# Altium PCB PCB1.PcbDoc (part 2 of 2) (continued)
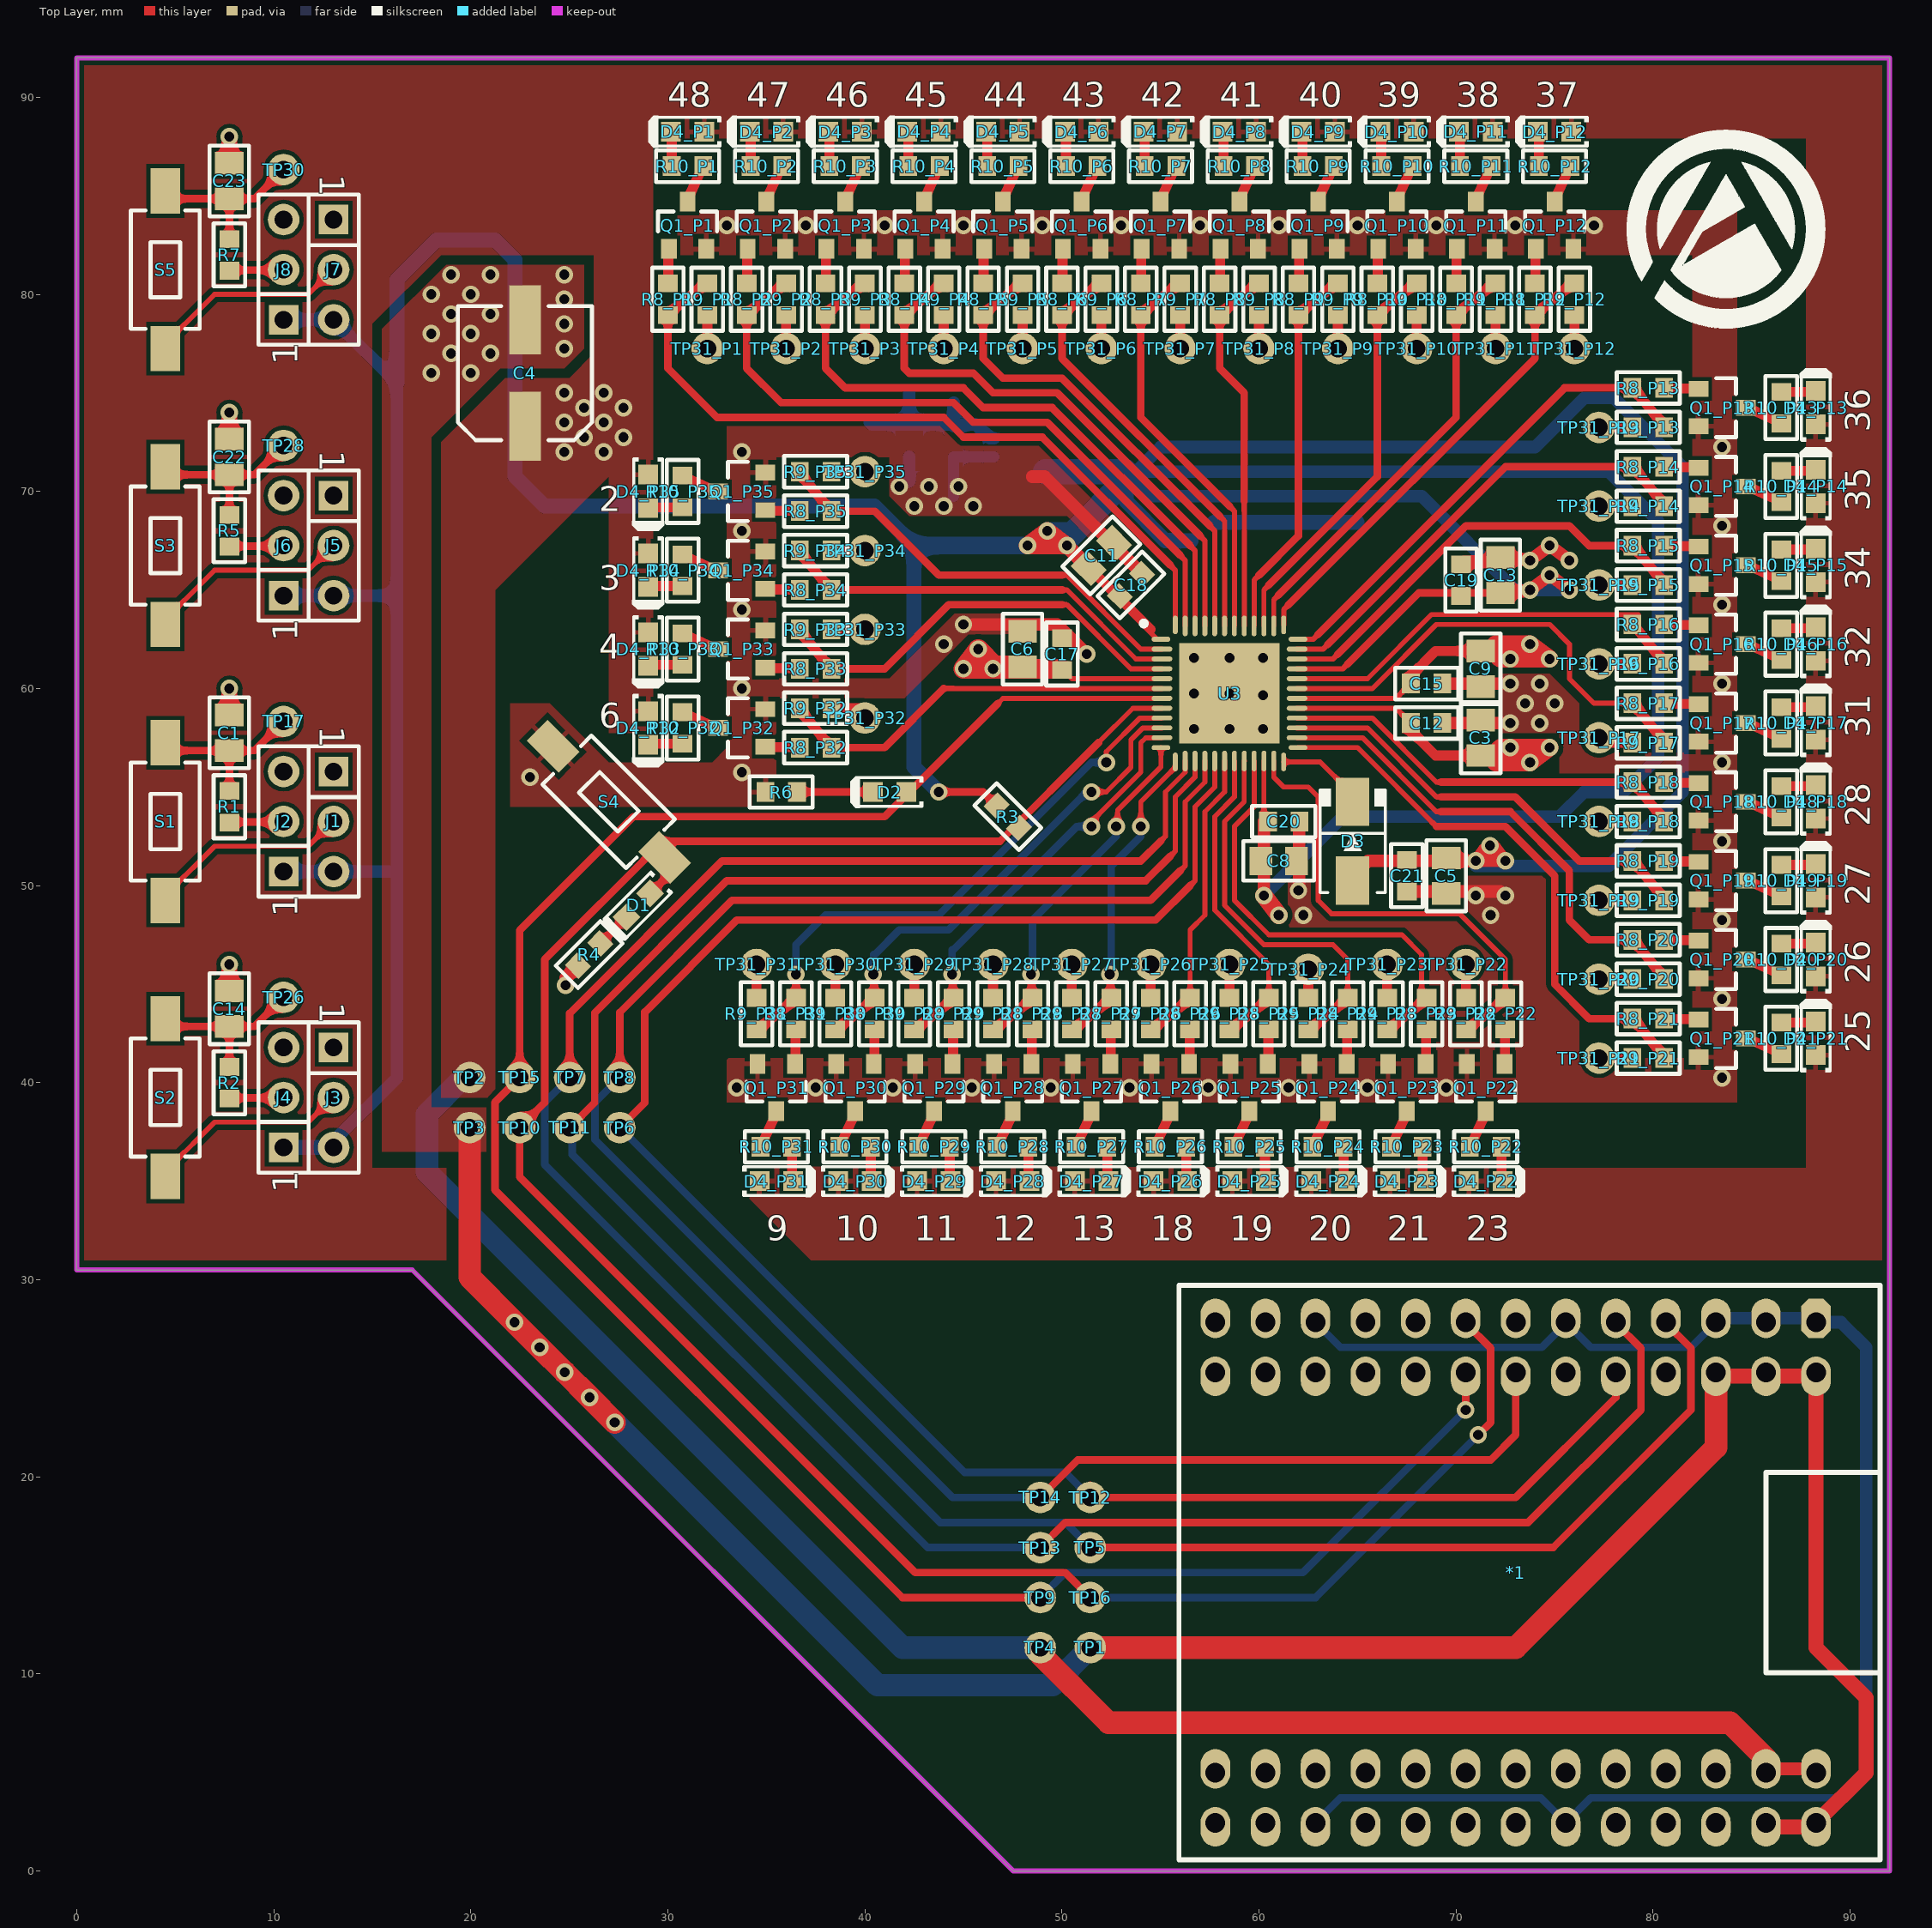
[diagram p0: Top Layer view]
## Nets (pads, with @x,y where several pads share a name; then routed paths per layer and width w, separated by ;. In a path a pad name is that pad's centre, name@x,y a point inside that pad or via, vN(x,y) a via of type N, cw(c..) or ccw(c..) an arc to the next point about the centre after c; other vN are vias at no path point) (continued)
NetQ1_P19_3: Q1_P19.3 R10_P19.1 | length 1.9
  Top Layer w0.508: Q1_P19.3@84.8,50.25 86.509,49.469 R10_P19.1@86.55,49.45
NetQ1_P20_1: Q1_P20.1 R8_P20.2 | length 1.8
  Top Layer w0.508: R8_P20.2@80.6,47.25 80.625,47.225 82.375,47.225 Q1_P20.1@82.4,47.2
NetQ1_P20_3: Q1_P20.3 R10_P20.1 | length 1.9
  Top Layer w0.508: Q1_P20.3@84.8,46.25 86.509,45.469 R10_P20.1@86.55,45.45
NetQ1_P21_1: Q1_P21.1 R8_P21.2 | length 1.8
  Top Layer w0.508: R8_P21.2@80.6,43.25 80.625,43.225 82.375,43.225 Q1_P21.1@82.4,43.2
NetQ1_P21_3: Q1_P21.3 R10_P21.1 | length 1.9
  Top Layer w0.508: Q1_P21.3@84.8,42.25 86.509,41.469 R10_P21.1@86.55,41.45
NetQ1_P22_1: Q1_P22.1 R8_P22.2 | length 1.8
  Top Layer w0.508: Q1_P22.1@72.45,40.85 72.475,40.875 72.475,42.625 R8_P22.2@72.5,42.65
NetQ1_P22_3: Q1_P22.3 R10_P22.1 | length 1.9
  Top Layer w0.508: R10_P22.1@70.7,36.7 70.719,36.741 Q1_P22.3@71.5,38.45
NetQ1_P23_1: Q1_P23.1 R8_P23.2 | length 1.8
  Top Layer w0.508: Q1_P23.1@68.45,40.85 68.475,40.875 68.475,42.625 R8_P23.2@68.5,42.65
NetQ1_P23_3: Q1_P23.3 R10_P23.1 | length 1.9
  Top Layer w0.508: R10_P23.1@66.7,36.7 66.719,36.741 Q1_P23.3@67.5,38.45
NetQ1_P24_1: Q1_P24.1 R8_P24.2 | length 1.8
  Top Layer w0.508: Q1_P24.1@64.45,40.85 64.475,40.875 64.475,42.625 R8_P24.2@64.5,42.65
NetQ1_P24_3: Q1_P24.3 R10_P24.1 | length 1.9
  Top Layer w0.508: R10_P24.1@62.7,36.7 62.719,36.741 Q1_P24.3@63.5,38.45
NetQ1_P25_1: Q1_P25.1 R8_P25.2 | length 1.8
  Top Layer w0.508: Q1_P25.1@60.45,40.85 60.475,40.875 60.475,42.625 R8_P25.2@60.5,42.65
NetQ1_P25_3: Q1_P25.3 R10_P25.1 | length 1.9
  Top Layer w0.508: R10_P25.1@58.7,36.7 58.719,36.741 Q1_P25.3@59.5,38.45
NetQ1_P26_1: Q1_P26.1 R8_P26.2 | length 1.8
  Top Layer w0.508: Q1_P26.1@56.45,40.85 56.475,40.875 56.475,42.625 R8_P26.2@56.5,42.65
NetQ1_P26_3: Q1_P26.3 R10_P26.1 | length 1.9
  Top Layer w0.508: R10_P26.1@54.7,36.7 54.719,36.741 Q1_P26.3@55.5,38.45
NetQ1_P27_1: Q1_P27.1 R8_P27.2 | length 1.8
  Top Layer w0.508: Q1_P27.1@52.45,40.85 52.475,40.875 52.475,42.625 R8_P27.2@52.5,42.65
NetQ1_P27_3: Q1_P27.3 R10_P27.1 | length 1.9
  Top Layer w0.508: R10_P27.1@50.7,36.7 50.719,36.741 Q1_P27.3@51.5,38.45
NetQ1_P28_1: Q1_P28.1 R8_P28.2 | length 1.8
  Top Layer w0.508: Q1_P28.1@48.45,40.85 48.475,40.875 48.475,42.625 R8_P28.2@48.5,42.65
NetQ1_P28_3: Q1_P28.3 R10_P28.1 | length 1.9
  Top Layer w0.508: R10_P28.1@46.7,36.7 46.719,36.741 Q1_P28.3@47.5,38.45
NetQ1_P29_1: Q1_P29.1 R8_P29.2 | length 1.8
  Top Layer w0.508: Q1_P29.1@44.45,40.85 44.475,40.875 44.475,42.625 R8_P29.2@44.5,42.65
NetQ1_P29_3: Q1_P29.3 R10_P29.1 | length 1.9
  Top Layer w0.508: R10_P29.1@42.7,36.7 42.719,36.741 Q1_P29.3@43.5,38.45
NetQ1_P30_1: Q1_P30.1 R8_P30.2 | length 1.8
  Top Layer w0.508: Q1_P30.1@40.45,40.85 40.475,40.875 40.475,42.625 R8_P30.2@40.5,42.65
NetQ1_P30_3: Q1_P30.3 R10_P30.1 | length 1.9
  Top Layer w0.508: R10_P30.1@38.7,36.7 38.719,36.741 Q1_P30.3@39.5,38.45
NetQ1_P31_1: Q1_P31.1 R8_P31.2 | length 1.8
  Top Layer w0.508: Q1_P31.1@36.45,40.85 36.475,40.875 36.475,42.625 R8_P31.2@36.5,42.65
NetQ1_P31_3: Q1_P31.3 R10_P31.1 | length 1.9
  Top Layer w0.508: R10_P31.1@34.7,36.7 34.719,36.741 Q1_P31.3@35.5,38.45
NetQ1_P32_1: Q1_P32.1 R8_P32.2 | length 1.8
  Top Layer w0.508: Q1_P32.1@34.85,57.05 34.875,57.025 36.625,57.025 R8_P32.2@36.65,57
NetQ1_P32_3: Q1_P32.3 R10_P32.1 | length 1.9
  Top Layer w0.508: R10_P32.1@30.7,58.8 30.741,58.781 Q1_P32.3@32.45,58
NetQ1_P33_1: Q1_P33.1 R8_P33.2 | length 1.8
  Top Layer w0.508: Q1_P33.1@34.85,61.05 34.875,61.025 36.625,61.025 R8_P33.2@36.65,61
NetQ1_P33_3: Q1_P33.3 R10_P33.1 | length 1.9
  Top Layer w0.508: R10_P33.1@30.7,62.8 30.741,62.781 Q1_P33.3@32.45,62
NetQ1_P34_1: Q1_P34.1 R8_P34.2 | length 1.8
  Top Layer w0.508: Q1_P34.1@34.85,65.05 34.875,65.025 36.625,65.025 R8_P34.2@36.65,65
NetQ1_P34_3: Q1_P34.3 R10_P34.1 | length 1.9
  Top Layer w0.508: R10_P34.1@30.7,66.8 30.741,66.781 Q1_P34.3@32.45,66
NetQ1_P35_1: Q1_P35.1 R8_P35.2 | length 1.7
  Top Layer w0.508: Q1_P35.1@34.875,69.025 R8_P35.2@36.625,69.025
NetQ1_P35_3: Q1_P35.3 R10_P35.1 | length 1.9
  Top Layer w0.508: R10_P35.1@30.7,70.8 30.741,70.781 Q1_P35.3@32.45,70
NetR8_P1_1: R8_P1.1 R9_P1.1 U3.48 | length 38
  Top Layer w0.254: 55.5,66.25 55.75,66 U3.48@55.75,63.225
  Top Layer w0.381: R8_P1.1@30,78.95 30,76.25 32.5,73.75 44,73.75 45,72.75 49,72.75 55.5,66.25
  Top Layer w0.508: R8_P1.1@30,79 31.976,80.58 R9_P1.1@32,80.6
NetR8_P2_1: R8_P2.1 R9_P2.1 U3.47 | length 34.9
  Top Layer w0.254: 56,66.75 56.25,66.5 U3.47@56.25,63.175
  Top Layer w0.381: R8_P2.1@34,78.95 34,76.25 35.75,74.5 44.5,74.5 45.5,73.5 49.25,73.5 56,66.75
  Top Layer w0.508: R8_P2.1@34,79 35.976,80.58 R9_P2.1@36,80.6
NetR8_P3_1: R8_P3.1 R9_P3.1 U3.46 | length 31.7
  Top Layer w0.254: 56.5,67.25 56.75,67 U3.46@56.75,63.175
  Top Layer w0.381: R8_P3.1@38,78.95 38,76.25 39,75.25 45,75.25 46,74.25 49.5,74.25 56.5,67.25
  Top Layer w0.508: R8_P3.1@38,79 39.976,80.58 R9_P3.1@40,80.6
NetR8_P4_1: R8_P4.1 R9_P4.1 U3.45 | length 28.5
  Top Layer w0.254: 57,67.75 57.25,67.5 U3.45@57.25,63.175
  Top Layer w0.381: R8_P4.1@42,78.95 42,76.25 42.25,76 45.5,76 46.5,75 49.75,75 57,67.75
  Top Layer w0.508: R8_P4.1@42,79 43.976,80.58 R9_P4.1@44,80.6
NetR8_P5_1: R8_P5.1 R9_P5.1 U3.44 | length 25
  Top Layer w0.254: 57.5,68.25 57.75,68 U3.44@57.75,63.175
  Top Layer w0.381: R8_P5.1@46,78.95 46,76.75 47,75.75 50,75.75 57.5,68.25
  Top Layer w0.508: R8_P5.1@46,79 47.976,80.58 R9_P5.1@48,80.6
NetR8_P6_1: R8_P6.1 R9_P6.1 U3.43 | length 21.8
  Top Layer w0.254: 58,68.75 58.25,68.5 U3.43@58.25,63.175
  Top Layer w0.381: R8_P6.1@50,78.95 50,76.75 58,68.75
  Top Layer w0.508: R8_P6.1@50,79 51.976,80.58 R9_P6.1@52,80.6
NetR8_P7_1: R8_P7.1 R9_P7.1 U3.42 | length 20.3
  Top Layer w0.254: 58.5,69.25 58.75,69 U3.42@58.75,63.175
  Top Layer w0.381: R8_P7.1@54,78.95 54,73.75 58.5,69.25
  Top Layer w0.508: R8_P7.1@54,79 55.976,80.58 R9_P7.1@56,80.6
NetR8_P8_1: R8_P8.1 R9_P8.1 U3.41 | length 18.9
  Top Layer w0.254: U3.41@59.25,63.175 59.25,69.5
  Top Layer w0.381: R8_P8.1@58,78.95 58,76.25 59.25,75 59.25,69.5
  Top Layer w0.508: R8_P8.1@58,79 59.976,80.58 R9_P8.1@60,80.6
NetR8_P9_1: R8_P9.1 R9_P9.1 U3.40 | length 19.3
  Top Layer w0.254: U3.40@59.75,63.175 59.75,65.5 60,65.75
  Top Layer w0.381: 60,65.75 62,67.75 R8_P9.1@62,78.95
  Top Layer w0.508: R8_P9.1@62,79 63.976,80.58 R9_P9.1@64,80.6
NetR8_P10_1: R8_P10.1 R9_P10.1 U3.39 | length 20.7
  Top Layer w0.254: U3.39@60.25,63.175 60.25,65 60.5,65.25
  Top Layer w0.381: 60.5,65.25 66,70.75 R8_P10.1@66,78.95
  Top Layer w0.508: R8_P10.1@66,79 67.976,80.58 R9_P10.1@68,80.6
NetR8_P11_1: R8_P11.1 R9_P11.1 U3.38 | length 22.2
  Top Layer w0.254: U3.38@60.75,63.175 60.75,64.5 61,64.75
  Top Layer w0.381: 61,64.75 70,73.75 R8_P11.1@70,78.95
  Top Layer w0.508: R8_P11.1@70,79 71.976,80.58 R9_P11.1@72,80.6
NetR8_P12_1: R8_P12.1 R9_P12.1 U3.37 | length 23.6
  Top Layer w0.254: U3.37@61.25,63.225 61.252,63.227 61.252,64.002 61.5,64.25
  Top Layer w0.381: 61.5,64.25 74,76.75 R8_P12.1@74,78.95
  Top Layer w0.508: R8_P12.1@74,79 75.976,80.58 R9_P12.1@76,80.6
NetR8_P13_1: R8_P13.1 R9_P13.1 U3.36 | length 24.8
  Top Layer w0.254: U3.36@61.975,62.5 61.977,62.502 62.752,62.502 63,62.75
  Top Layer w0.381: 63,62.75 75.5,75.25 R8_P13.1@78.95,75.25
  Top Layer w0.508: R8_P13.1@79,75.25 80.58,73.274 R9_P13.1@80.6,73.25
NetR8_P14_1: R8_P14.1 R9_P14.1 U3.35 | length 23.4
  Top Layer w0.254: U3.35@61.925,62 63.25,62 63.5,62.25
  Top Layer w0.381: 63.5,62.25 72.5,71.25 R8_P14.1@78.95,71.25
  Top Layer w0.508: R8_P14.1@79,71.25 80.58,69.274 R9_P14.1@80.6,69.25
NetR8_P15_1: R8_P15.1 R9_P15.1 U3.34 | length 22.8
  Top Layer w0.254: U3.34@61.925,61.5 63.75,61.5 64,61.75
  Top Layer w0.381: 64,61.75 70.5,68.25 75.75,68.25 76.75,67.25 R8_P15.1@78.95,67.25
  Top Layer w0.508: R8_P15.1@79,67.25 80.58,65.274 R9_P15.1@80.6,65.25
NetR8_P16_1: R8_P16.1 R9_P16.1 U3.32 | length 21.9
  Top Layer w0.254: U3.32@61.925,60.5 65.5,60.5 68.75,63.75 78.5,63.75 ; R8_P16.1@79,63.25 78.5,63.75 ; R8_P16.1@79.25,63.75 78.5,63.75
  Top Layer w0.508: R8_P16.1@79,63.25 80.58,61.274 R9_P16.1@80.6,61.25
NetR8_P17_1: R8_P17.1 R9_P17.1 U3.31 | length 23.6
  Top Layer w0.254: U3.31@61.925,60 65.75,60 69,63.25 74.75,63.25 75.75,62.25 75.75,60.5 77,59.25 R8_P17.1@78.95,59.25
  Top Layer w0.508: R8_P17.1@79,59.25 80.58,57.274 R9_P17.1@80.6,57.25
NetR8_P18_1: R8_P18.1 R9_P18.1 U3.28 | length 20.9
  Top Layer w0.254: U3.28@61.925,58.5 65.75,58.5 69,55.25 69.25,55.25
  Top Layer w0.381: 69.25,55.25 R8_P18.1@78.95,55.25
  Top Layer w0.508: R8_P18.1@79,55.25 80.58,53.274 R9_P18.1@80.6,53.25
NetR8_P19_1: R8_P19.1 R9_P19.1 U3.27 | length 22.4
  Top Layer w0.254: U3.27@61.925,58 65.5,58 69,54.5 69.25,54.5
  Top Layer w0.381: 69.25,54.5 73,54.5 76.25,51.25 R8_P19.1@78.95,51.25
  Top Layer w0.508: R8_P19.1@79,51.25 80.58,49.274 R9_P19.1@80.6,49.25
NetR8_P20_1: R8_P20.1 R9_P20.1 U3.26 | length 25.3
  Top Layer w0.254: U3.26@61.925,57.5 65.25,57.5 69,53.75 69.25,53.75
  Top Layer w0.381: 69.25,53.75 72.75,53.75 75.75,50.75 75.75,48.25 76.75,47.25 R8_P20.1@78.95,47.25
  Top Layer w0.508: R8_P20.1@79,47.25 80.58,45.274 R9_P20.1@80.6,45.25
NetR8_P21_1: R8_P21.1 R9_P21.1 U3.25 | length 28.5
  Top Layer w0.254: U3.25@61.975,57 65,57 69,53 ; R8_P21.1@78.95,43.25 R8_P21.1@79,43.25
  Top Layer w0.381: 69,53 72.5,53 75,50.5 75,45 76.75,43.25 R8_P21.1@78.95,43.25
  Top Layer w0.508: R8_P21.1@79,43.25 80.58,41.274 R9_P21.1@80.6,41.25
NetR8_P22_1: R8_P22.1 R9_P22.1 U3.23 | length 24
  Top Layer w0.254: U3.23@60.75,56.325 60.75,55.5 61.25,55 62.5,55 63,54.5 63,49.25 63.675,48.575 70.175,48.575 72.5,46.25 R8_P22.1@72.5,44.3 R8_P22.1@72.5,44.25
  Top Layer w0.508: R9_P22.1@70.5,42.65 70.524,42.67 R8_P22.1@72.5,44.25
NetR8_P23_1: R8_P23.1 R9_P23.1 U3.21 | length 23
  Top Layer w0.254: U3.21@59.75,56.325 59.75,54 58.75,53 58.75,49.25 60.5,47.5 67.25,47.5 68.25,46.5 68.25,44.55 R8_P23.1@68.5,44.3
  Top Layer w0.508: R9_P23.1@66.5,42.65 66.524,42.67 R8_P23.1@68.5,44.25
NetR8_P24_1: R8_P24.1 R9_P24.1 U3.20 | length 19.6
  Top Layer w0.254: U3.20@59.25,56.325 59.248,56.323 59.248,54.248 58.25,53.25 58.25,49 60.25,47 63.75,47 64.5,46.25 R8_P24.1@64.5,44.3
  Top Layer w0.508: R9_P24.1@62.5,42.65 62.524,42.67 R8_P24.1@64.5,44.25
NetR8_P25_1: R8_P25.1 R9_P25.1 U3.19 | length 16.2
  Top Layer w0.254: U3.19@58.75,56.325 58.75,54.5 57.75,53.5 57.75,48.75 60.5,46 R8_P25.1@60.5,44.3 R8_P25.1@60.425,44.375
  Top Layer w0.508: R9_P25.1@58.5,42.65 58.524,42.67 R8_P25.1@60.5,44.25
NetR8_P26_1: R8_P26.1 R9_P26.1 U3.18 | length 15.4
  Top Layer w0.254: R8_P26.1@56.425,44.375 R8_P26.1@56.5,44.3 56.5,47.75 57.25,48.5 57.25,53.75 58.248,54.748 58.248,56.323 U3.18@58.25,56.325
  Top Layer w0.508: R9_P26.1@54.5,42.65 54.524,42.67 R8_P26.1@56.5,44.25
NetR8_P27_1: R8_P27.1 R9_P27.1 U3.13 | length 16.5
  Top Layer w0.254: R8_P27.1@52.175,44.623 52.498,44.3 R8_P27.1@52.5,44.3 ; v1(54,53) 54,54.25 U3.13@55.75,56 ; U3.13@55.748,55.927 55.75,55.929 U3.13@55.75,56 ; U3.13@55.75,56.275 U3.13@55.75,56.25 ; U3.13@55.762,56.263 U3.13@55.75,56.25 ; U3.13@55.75,56 U3.13@55.75,56.25
  Top Layer w0.381: v1(52.425,45.5) 52.462,45.463 52.462,44.338 R8_P27.1@52.5,44.3
  Top Layer w0.508: R9_P27.1@50.5,42.65 50.524,42.67 R8_P27.1@52.5,44.25
  Bottom Layer w0.381: v1@52.5,45.5 52.5,51 54,52.5 v1(54,53)
NetR8_P28_1: R8_P28.1 R9_P28.1 U3.12 | length 18
  Top Layer w0.254: v1(52.75,53) 52.825,53.076 52.825,53.826 55.025,56.025 U3.12@55.025,57
  Top Layer w0.381: v1(48.425,45.5) 48.462,45.463 48.462,44.338 R8_P28.1@48.5,44.3
  Top Layer w0.508: R9_P28.1@46.5,42.65 46.524,42.67 R8_P28.1@48.5,44.25
  Bottom Layer w0.381: v1@48.5,45.5 48.5,48.25 52.75,52.5 v1(52.75,53)
NetR8_P29_1: R8_P29.1 R9_P29.1 U3.11 | length 21.1
  Top Layer w0.254: v1(51.5,53) 51.5,53.25 54,55.75 54,57.25 54.248,57.498 55.073,57.498 U3.11@55.075,57.5
  Top Layer w0.381: v1(44.425,45.5) 44.462,45.463 44.462,44.338 R8_P29.1@44.5,44.3
  Top Layer w0.508: R9_P29.1@42.5,42.65 42.524,42.67 R8_P29.1@44.5,44.25
  Bottom Layer w0.381: v1(44.425,45.5) 44.425,46.75 ; 44.5,46.75 50.75,53 v1(51.5,53)
NetR8_P30_1: R8_P30.1 R9_P30.1 U3.10 | length 25
  Top Layer w0.254: R8_P30.1@40.425,44.375 40.462,44.338 R8_P30.1@40.5,44.3 ; v1(51.5,54.75) 52.25,54.75 53.5,56 53.5,57.397 54.103,58 U3.10@55.075,58
  Top Layer w0.381: v1(40.425,45.5) 40.462,45.463 R8_P30.1@40.462,44.338
  Top Layer w0.508: R9_P30.1@38.5,42.65 38.524,42.67 R8_P30.1@40.5,44.25
  Bottom Layer w0.381: v1(40.425,45.5) 40.441,45.516 40.441,46.516 ; 40.516,46.516 41.75,47.75 44.25,47.75 51.25,54.75 v1(51.5,54.75)
NetR8_P31_1: R8_P31.1 R9_P31.1 U3.9 | length 28.9
  Top Layer w0.254: v1(52.25,56.25) 52.25,56.793 53.957,58.5 U3.9@55.075,58.5
  Top Layer w0.381: R8_P31.1@36.5,44.3 v1(36.5,45.5)
  Top Layer w0.508: R9_P31.1@34.5,42.65 34.524,42.67 R8_P31.1@36.5,44.25
  Bottom Layer w0.381: v1(36.5,45.5) 36.5,47 38,48.5 43.75,48.5 51.5,56.25 v1(52.25,56.25)
NetR8_P32_1: R8_P32.1 R9_P32.1 U3.6 | length 20.6
  Top Layer w0.254: 44,60 45,60 U3.6@55.075,60
  Top Layer w0.381: R8_P32.1@38.3,57 41,57 44,60
  Top Layer w0.508: R9_P32.1@36.65,59 36.67,58.976 R8_P32.1@38.25,57
NetR8_P33_1: R8_P33.1 R9_P33.1 U3.4 | length 22
  Top Layer w0.254: 50,64.25 50.25,64.25 53.5,61 U3.4@55.075,61
  Top Layer w0.381: R8_P33.1@38.3,61 41,61 44.25,64.25 50,64.25
  Top Layer w0.508: R9_P33.1@36.65,63 36.67,62.976 R8_P33.1@38.25,61
NetR8_P34_1: R8_P34.1 R9_P34.1 U3.3 | length 20.8
  Top Layer w0.254: R8_P34.1@38.25,65 R8_P34.1@38.3,65 ; 50,65 50.25,65 53.75,61.5 U3.3@55.075,61.5
  Top Layer w0.381: R8_P34.1@38.3,65 50,65
  Top Layer w0.508: R9_P34.1@36.65,67 36.67,66.976 R8_P34.1@38.25,65
NetR8_P35_1: R8_P35.1 R9_P35.1 U3.2 | length 22.2
  Top Layer w0.254: 50,65.75 50.25,65.75 54,62 U3.2@55.075,62
  Top Layer w0.381: R8_P35.1@38.3,69 40.5,69 43.75,65.75 50,65.75
  Top Layer w0.508: R9_P35.1@36.65,71 36.67,70.976 R8_P35.1@38.25,69
NetR9_P1_2: R9_P1.2 TP31_P1.1 | length 1.7
  Top Layer w0.508: TP31_P1.1@32,77.3 R9_P1.2@32,79
NetR9_P2_2: R9_P2.2 TP31_P2.1 | length 1.7
  Top Layer w0.508: TP31_P2.1@36,77.3 R9_P2.2@36,79
NetR9_P3_2: R9_P3.2 TP31_P3.1 | length 1.7
  Top Layer w0.508: TP31_P3.1@40,77.3 R9_P3.2@40,79
NetR9_P4_2: R9_P4.2 TP31_P4.1 | length 1.7
  Top Layer w0.508: TP31_P4.1@44,77.3 R9_P4.2@44,79
NetR9_P5_2: R9_P5.2 TP31_P5.1 | length 1.7
  Top Layer w0.508: TP31_P5.1@48,77.3 R9_P5.2@48,79
NetR9_P6_2: R9_P6.2 TP31_P6.1 | length 1.7
  Top Layer w0.508: TP31_P6.1@52,77.3 R9_P6.2@52,79
NetR9_P7_2: R9_P7.2 TP31_P7.1 | length 1.7
  Top Layer w0.508: TP31_P7.1@56,77.3 R9_P7.2@56,79
NetR9_P8_2: R9_P8.2 TP31_P8.1 | length 1.7
  Top Layer w0.508: TP31_P8.1@60,77.3 R9_P8.2@60,79
NetR9_P9_2: R9_P9.2 TP31_P9.1 | length 1.7
  Top Layer w0.508: TP31_P9.1@64,77.3 R9_P9.2@64,79
NetR9_P10_2: R9_P10.2 TP31_P10.1 | length 1.7
  Top Layer w0.508: TP31_P10.1@68,77.3 R9_P10.2@68,79
NetR9_P11_2: R9_P11.2 TP31_P11.1 | length 1.7
  Top Layer w0.508: TP31_P11.1@72,77.3 R9_P11.2@72,79
NetR9_P12_2: R9_P12.2 TP31_P12.1 | length 1.7
  Top Layer w0.508: TP31_P12.1@76,77.3 R9_P12.2@76,79
NetR9_P13_2: R9_P13.2 TP31_P13.1 | length 1.7
  Top Layer w0.508: TP31_P13.1@77.3,73.25 R9_P13.2@79,73.25
NetR9_P14_2: R9_P14.2 TP31_P14.1 | length 1.7
  Top Layer w0.508: TP31_P14.1@77.3,69.25 R9_P14.2@79,69.25
NetR9_P15_2: R9_P15.2 TP31_P15.1 | length 1.7
  Top Layer w0.508: TP31_P15.1@77.3,65.25 R9_P15.2@79,65.25
NetR9_P16_2: R9_P16.2 TP31_P16.1 | length 1.7
  Top Layer w0.508: TP31_P16.1@77.3,61.25 R9_P16.2@79,61.25
NetR9_P17_2: R9_P17.2 TP31_P17.1 | length 1.7
  Top Layer w0.508: TP31_P17.1@77.3,57.25 R9_P17.2@79,57.25
NetR9_P18_2: R9_P18.2 TP31_P18.1 | length 1.7
  Top Layer w0.508: TP31_P18.1@77.3,53.25 R9_P18.2@79,53.25
NetR9_P19_2: R9_P19.2 TP31_P19.1 | length 1.7
  Top Layer w0.508: TP31_P19.1@77.3,49.25 R9_P19.2@79,49.25
NetR9_P20_2: R9_P20.2 TP31_P20.1 | length 1.7
  Top Layer w0.508: TP31_P20.1@77.3,45.25 R9_P20.2@79,45.25
NetR9_P21_2: R9_P21.2 TP31_P21.1 | length 1.7
  Top Layer w0.508: TP31_P21.1@77.3,41.25 R9_P21.2@79,41.25
NetR9_P22_2: R9_P22.2 TP31_P22.1 | length 1.7
  Top Layer w0.508: R9_P22.2@70.5,44.25 TP31_P22.1@70.5,45.95
NetR9_P23_2: R9_P23.2 TP31_P23.1 | length 1.7
  Top Layer w0.508: R9_P23.2@66.5,44.25 TP31_P23.1@66.5,45.95
NetR9_P24_2: R9_P24.2 TP31_P24.1 | length 1.7
  Top Layer w0.508: R9_P24.2@62.5,44.25 TP31_P24.1@62.5,45.75 TP31_P24.1@62.5,45.95
NetR9_P25_2: R9_P25.2 TP31_P25.1 | length 1.7
  Top Layer w0.508: R9_P25.2@58.5,44.25 TP31_P25.1@58.5,45.95
NetR9_P26_2: R9_P26.2 TP31_P26.1 | length 1.7
  Top Layer w0.508: R9_P26.2@54.5,44.25 TP31_P26.1@54.5,45.95
NetR9_P27_2: R9_P27.2 TP31_P27.1 | length 1.7
  Top Layer w0.508: R9_P27.2@50.5,44.25 TP31_P27.1@50.5,45.95
NetR9_P28_2: R9_P28.2 TP31_P28.1 | length 1.7
  Top Layer w0.508: R9_P28.2@46.5,44.25 TP31_P28.1@46.5,45.95
NetR9_P29_2: R9_P29.2 TP31_P29.1 | length 1.7
  Top Layer w0.508: R9_P29.2@42.5,44.25 TP31_P29.1@42.5,45.95
NetR9_P30_2: R9_P30.2 TP31_P30.1 | length 1.7
  Top Layer w0.508: R9_P30.2@38.5,44.25 TP31_P30.1@38.5,45.95
NetR9_P31_2: R9_P31.2 TP31_P31.1 | length 1.7
  Top Layer w0.508: R9_P31.2@34.5,44.25 TP31_P31.1@34.5,45.95
NetR9_P32_2: R9_P32.2 TP31_P32.1 | length 1.7
  Top Layer w0.508: R9_P32.2@38.25,59 TP31_P32.1@39.95,59
NetR9_P33_2: R9_P33.2 TP31_P33.1 | length 1.7
  Top Layer w0.508: R9_P33.2@38.25,63 TP31_P33.1@39.95,63
NetR9_P34_2: R9_P34.2 TP31_P34.1 | length 1.7
  Top Layer w0.508: R9_P34.2@38.25,67 TP31_P34.1@39.95,67
NetR9_P35_2: R9_P35.2 TP31_P35.1 | length 1.7
  Top Layer w0.508: R9_P35.2@38.25,71 TP31_P35.1@39.95,71
SCK: *1.7 TP5.1 TP11.1 U3.15 | length 118.5
  Top Layer w0.254: 55.5,51.5 55.75,51.75 55.75,54.5 56.748,55.498 56.748,56.323 U3.15@56.75,56.325
  Top Layer w0.381: TP11.1@25.02,37.72 26.29,38.99 26.29,43.54 33,50.25 54.25,50.25 55.5,51.5 ; TP5.1@51.435,16.415 74.93,16.415 81.915,23.4 81.915,26.525 80.645,27.795 *1.7@80.645,27.845
  Bottom Layer w0.381: TP11.1@25.02,37.72 25.151,37.589 25.151,36.349 43.815,17.685 50.165,17.685 TP5.1@51.435,16.415
SS: *1.14 TP8.1 TP14.1 U3.16 | length 103.2
  Top Layer w0.254: 56,50.75 56.25,51 56.25,54.25 57.25,55.25 U3.16@57.25,56.325
  Top Layer w0.381: TP8.1@27.56,40.26 27.56,43.56 33.25,49.25 54.5,49.25 56,50.75 ; TP14.1@48.895,18.955 50.8,20.86 71.755,20.86 73.025,22.13 *1.14@73.025,25.305
  Bottom Layer w0.381: TP8.1@27.56,40.26 26.3,39 26.3,37.105 44.45,18.955 TP14.1@48.895,18.955
pads on no net: *1.8 *1.12 *1.13 *1.17 *1.18 *1.19 *1.20 *1.22 *1.23 *1.24 *1.25 *1.26 *1.31 *1.32 *1.33 *1.34 *1.35 *1.36 *1.37 *1.39 *1.40 *1.41 *1.42 *1.43 *1.44 *1.45 *1.46 *1.47 *1.49 *1.50 *1.51 *1.52 U1.4

## Polygon pours and split planes (outlines as drawn)
GND on Bottom Layer "Bottom Layer-GND" (solid, remove dead copper, pour order 24): 92,31 92,92 0,92 0,31
5V0 on Bottom Layer "Bottom Layer-5V0" (solid, pour order 22): 46,71.25 46,69.75 48,69.75 48,73.75 46,75.75 23.75,75.75 23.75,71.25 27.75,71.25 29.25,72.75 45.25,72.75 45.75,72.25 47.25,72.25 47.25,71.25
1V2 on Bottom Layer "Bottom Layer-1V2" (solid, pour order 0): 75.5,57.5 75.5,56.75 74.25,55.5 71.5,55.5 63.5,63.5 50,63.5 46.75,60.25 44,60.25 44,61.25 48,65.25 61.75,65.25 62.25,65.75 58.25,65.75 58.25,67.25 59.5,67.25 60,66.75 68.25,66.75 72,63 74.5,63 75.5,62 75.5,61 71.25,61 67.25,65 65,65 72.5,57.5
GND on Top Layer "Top Layer-GND 1" (solid, pour order 20): 22,54 35.5,54 35.5,59.5 42,59.5 45.25,62.75 50.25,62.75 50.25,64 44.75,64 41.25,60.5 35.5,60.5 35.5,71.75 41.25,71.75 41.25,69.75 42.25,68.75 50.25,68.75 53.75,65.25 55,66.5 49,72.5 45,72.5 44,73.5 33,73.5 33,57 32.25,56.25 27,56.25 24,59.25 22,59.25
GND on Top Layer "Top Layer-GND 2" (solid, pour order 18): 84.25,39 84.25,84.25 30.5,84.25 30.5,82 82,82 82,56.75 77.3,56.75 77.3,57.5 76.25,57.5 76.25,59.25 74.75,60.75 68.75,60.75 68.75,57.75 75.25,57.75 75.25,55.5 78,55.5 78.25,55.75 82,55.75 82,41.25 76.25,41.25 76.25,43.75 75,45 75,50.5 61.475,50.5 61.475,47.25 66.5,47.25 68.5,45.25 68.5,41.25 33,41.25 33,39
GND on Top Layer "Top Layer-GND" (solid, pour order 16): 21.25,38.75 18,38.75 18,72.75 21.5,76.25 24.75,76.25 25.75,77.25 25.75,81.5 18.75,81.5 15.5,78.25 15.5,36.5 21.25,36.5
5V0 on Top Layer "Top Layer-5V0" (solid, pour order 14): 21.25,39.25 21.25,65 27,70.75 27,57.75 29.25,57.75 29.25,87.75 26.25,87.75 26.25,77 25,75.75 21.75,75.75 18.5,72.5 18.5,39.25
5V0 on Top Layer "Top Layer-5V0 1" (solid, remove dead copper, pour order 12): 87.75,87.921 87.75,35.671 34.039,35.75 34.039,34.211 37.25,31 92.25,31 92.25,92.25 0,92.171 0,31 18.75,31 18.75,35.671 15,35.671 15,78.5 18.5,82 29.25,82 29.25,87.921
5V0 on Top Layer "Top Layer-5V0 2" (solid, pour order 4): -13.75,73.75

## Keep-outs
Bottom Layer:
  region: 28,39.25 28,38.793 28.25,38.793 28.25,39.25
  rectangle: 26,40.75 26.457,41
  rectangle: 23.5,40.75 23.957,41
  rectangle: 21,40.75 21.457,41
  region: 37.425,45.275 37.425,45.45 37.25,45.45 37.25,45.275
  region: 39.575,45.15 39.575,45.325 39.4,45.325 39.4,45.15
  region: 51.55,45.2 51.55,45.375 51.375,45.375 51.375,45.2
  region: 49.325,45.35 49.325,45.525 49.15,45.525 49.15,45.35
  region: 41.375,45.425 41.375,45.6 41.2,45.6 41.2,45.425
  region: 43.575,45.3 43.575,45.475 43.4,45.475 43.4,45.3
  region: 47.55,45.275 47.55,45.45 47.375,45.45 47.375,45.275
  region: 45.325,45.25 45.325,45.425 45.15,45.425 45.15,45.25
  region: 71.875,58.675 71.875,60.75 71.7,60.75 71.7,58.675
  region: 49.9,72.1 49.9,72.275 49.725,72.275 49.725,72.1
  region: 46.525,68.025 46.525,69.5 46.35,69.5 46.35,68.025
  region: 54.631,67.125 54.631,67.181 51.15,67.181 51.15,67.125
  rectangle: 56.77,68.2 57.05,69.1
Keep-Out Layer:
  the board outline again, w0.254

## Other copper
Bottom Layer:
  pour cut-out: 19,36.75 21,36.75 21,38.75 19,38.75

## Silkscreen, mask and mechanical layers (free items; w line width, h text height)
Top Overlay:
  drawing of 4 lines, arcs and shapes, not listed
  text "48" at 30,89.5 h1.27
  text "47" at 34,89.5 h1.27
  text "46" at 38,89.5 h1.27
  text "45" at 42,89.5 h1.27
  text "44" at 46,89.5 h1.27
  text "43" at 50,89.5 h1.27
  text "42" at 54,89.5 h1.27
  text "41" at 58,89.5 h1.27
  text "40" at 62,89.5 h1.27
  text "39" at 66,89.5 h1.27
  text "38" at 70,89.5 h1.27
  text "37" at 74,89.5 h1.27
  text "36" at 91,73 h1.27 r90
  text "2" at 26.5,69 h1.27
  text "35" at 91,69 h1.27 r90
  text "3" at 26.5,65 h1.27
  text "34" at 91,65 h1.27 r90
  text "4" at 26.5,61.5 h1.27
  text "32" at 91,61 h1.27 r90
  text "6" at 26.5,58 h1.27
  text "31" at 91,57.5 h1.27 r90
  text "28" at 91,53 h1.27 r90
  text "27" at 91,49 h1.27 r90
  text "26" at 91,45 h1.27 r90
  text "25" at 91,41.5 h1.27 r90
  text "9" at 35,32 h1.27
  text "10" at 38.5,32 h1.27
  text "11" at 42.5,32 h1.27
  text "12" at 46.5,32 h1.27
  text "13" at 50.5,32 h1.27
  text "18" at 54.5,32 h1.27
  text "19" at 58.5,32 h1.27
  text "20" at 62.5,32 h1.27
  text "21" at 66.5,32 h1.27
  text "23" at 70.5,32 h1.27
Mechanical 1:
  the board outline again, w0.254
Mechanical 13:
  the board outline again, w0.254

## Text inside footprints (layer, text, board x,y; h text height)
J1: Top Overlay "1" at 12.34,58.09 h1.27 r270
J2: Top Overlay "1" at 11.2,48.41 h1.27 r90
J3: Top Overlay "1" at 12.34,44.09 h1.27 r270
J4: Top Overlay "1" at 11.2,34.41 h1.27 r90
J5: Top Overlay "1" at 12.34,72.09 h1.27 r270
J6: Top Overlay "1" at 11.2,62.41 h1.27 r90
J7: Top Overlay "1" at 12.34,86.09 h1.27 r270
J8: Top Overlay "1" at 11.2,76.41 h1.27 r90